# Altium PCB Board_ASCII.PcbDoc (part 2 of 2)
Units mm, origin at the board's own origin, x right, y up, seen from the top; angles counter-clockwise.
Board outline 26.34 x 49.99 mm, 4 copper layers (Top Layer, GND, PWR, Bottom Layer), stack 0.603 mm thick; 93 components, 67 nets, 369 pads, 189 vias.
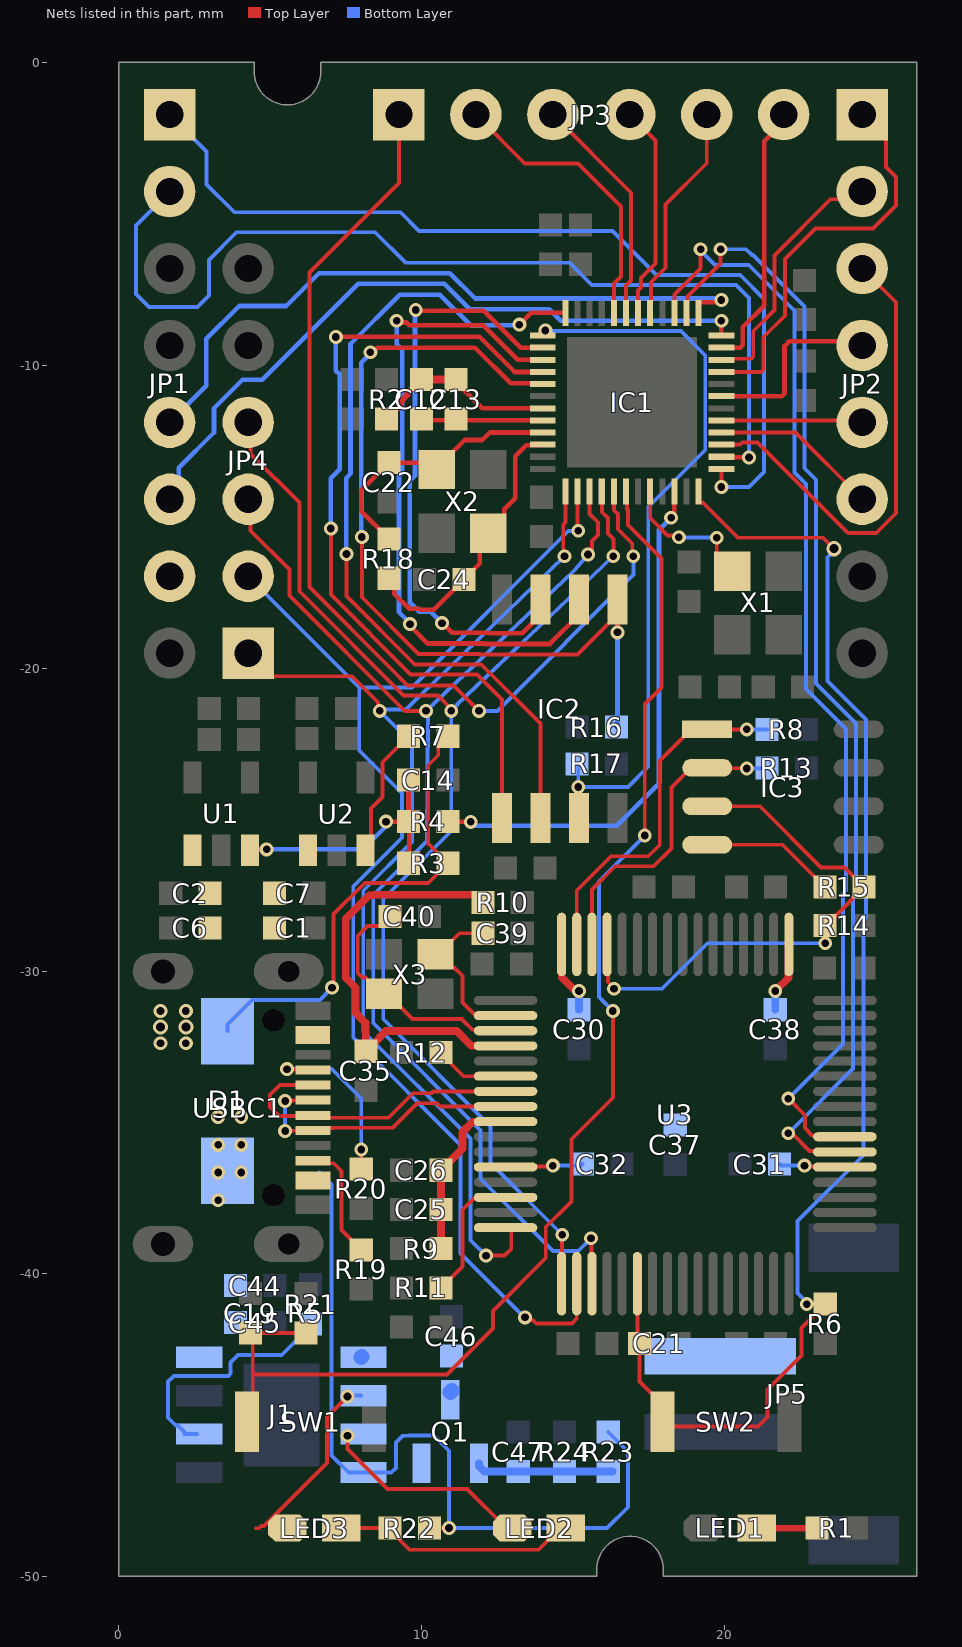
[diagram p4: the nets of this part, all layers, seen from the top]

## Via types
v1: diameter 0.457, hole 0.254, Top Layer to Bottom Layer, 186 vias
v2: diameter 0.5, hole 0.3, Top Layer to Bottom Layer, 3 vias

## Nets (pads, with @x,y where several pads share a name; then routed paths per layer and width w, separated by ;. In a path a pad name is that pad's centre, name@x,y a point inside that pad or via, vN(x,y) a via of type N, cw(c..) or ccw(c..) an arc to the next point about the centre after c; other vN are vias at no path point) (continued)
I2C_SCL: IC1.37 JP1.5 | length 22.6
  Top Layer w0.152: IC1.37@19.138,-8.274 19.138,-7.949 19.162,-7.925 19.729,-7.925 19.806,-7.849 v1(19.888,-7.849)
  Bottom Layer w0.152: JP1.5@1.676,-11.887 2.886,-10.678 2.886,-9.131 3.972,-8.045 5.518,-8.045 6.604,-6.96 10.922,-6.96 11.76,-7.798 19.837,-7.798 v1(19.888,-7.849)
I2C_SDA: IC1.36 JP1.6 | length 23.1
  Top Layer w0.152: IC1.36@19.888,-9.024 v1(19.888,-8.534)
  Bottom Layer w0.152: JP1.6@1.676,-14.427 1.973,-14.131 1.973,-13.389 3.138,-12.224 3.138,-11.419 4.081,-10.477 4.735,-10.477 7.896,-7.315 10.744,-7.315 11.582,-8.153 14.206,-8.153 14.587,-8.534 v1(19.888,-8.534)
IO1: IC1.26 JP1.2 | length 33.1
  Top Layer w0.152: IC1.26@19.888,-13.024 19.901,-13.037 20.79,-13.037 v1(20.803,-13.049)
  Bottom Layer w0.127: JP1.2@1.676,-4.267 0.56,-5.384 0.56,-7.646 0.991,-8.077 2.591,-8.077 2.972,-7.696 2.972,-6.523 3.882,-5.613 8.458,-5.613 9.461,-6.617 14.871,-6.617 15.608,-7.353 20.374,-7.353 20.803,-7.782 v1(20.803,-13.049)
IO9: IC1.33 JP2.1 | length 13.2
  Top Layer w0.127: IC1.33@19.888,-10.224 21.198,-10.224 21.272,-10.149 21.272,-9.079 21.984,-8.368 21.984,-6.501 22.998,-5.486 24.896,-5.486 25.653,-4.73 25.653,-3.787 25.323,-3.457 25.323,-2.514 JP2.1@24.536,-1.727
IO11: IC1.35 JP3.6 | length 8.9
  Top Layer w0.152: IC1.35@19.888,-9.424 20.51,-9.424 20.599,-9.335 20.599,-8.739 21.298,-8.04 21.298,-2.605 21.946,-1.957 JP3.6@21.946,-1.727
IO19: IC1.41 JP3.5 | length 7.3
  Top Layer w0.127: IC1.41@17.538,-8.274 17.569,-8.243 17.569,-7.263 18.047,-6.785 18.047,-4.694 19.406,-3.335 JP3.5@19.406,-1.727
IO20: IC1.42 JP3.4 | length 7.1
  Top Layer w0.127: JP3.4@16.866,-1.727 17.716,-2.578 17.716,-6.648 17.238,-7.126 17.238,-7.436 17.138,-7.536 IC1.42@17.138,-8.274
IO21: IC1.43 JP3.3 | length 7.7
  Top Layer w0.127: JP3.3@14.326,-1.727 16.908,-4.31 16.908,-7.205 16.738,-7.375 IC1.43@16.738,-8.274
IO22: IC1.44 JP3.2 | length 9.7
  Top Layer w0.127: JP3.2@11.786,-1.727 13.397,-3.338 15.149,-3.338 16.578,-4.767 16.578,-7.068 16.338,-7.308 IC1.44@16.338,-8.274
JTAG_TCK: IC1.13 JP4.1 U3.16 | length 38.2
  Top Layer w0.127: JP4.1@4.267,-19.507 5.029,-20.269 7.696,-20.269 8.272,-20.845 8.556,-21.129 8.556,-21.357 v1(8.611,-21.412) ; v1(12.116,-39.395) 12.725,-39.395 12.954,-39.167 12.954,-38.552 12.874,-38.472 U3.16@12.764,-38.472 ; v1(14.707,-16.307) 14.668,-16.269 14.668,-15.263 14.745,-15.187 14.745,-14.18 IC1.13@14.738,-14.174
  Bottom Layer w0.127: v1(12.116,-39.395) 11.608,-38.887 11.608,-35.535 8.064,-31.991 8.064,-27.349 9.677,-25.736 9.677,-22.479 v1(8.611,-21.412) 8.658,-21.365 9.482,-21.365 9.929,-20.918 9.93,-20.916 v1(14.707,-16.307)
JTAG_TDI: IC1.16 JP4.4 U3.17 | length 45
  Top Layer w0.127: JP4.4@4.267,-11.887 4.347,-11.967 4.347,-12.928 5.956,-14.537 5.956,-17.465 9.395,-20.904 10.529,-20.904 10.973,-21.348 v1(10.973,-21.412) ; U3.17@14.614,-40.322 14.625,-40.311 14.625,-38.716 v1(14.635,-38.705) ; IC1.16@15.938,-14.174 15.945,-14.18 15.945,-14.853 16.142,-15.05 16.142,-15.552 16.332,-15.742 16.332,-16.296 v1(16.32,-16.309)
  Bottom Layer w0.127: v1(14.635,-38.705) 12.268,-36.338 12.268,-35.128 8.725,-31.585 8.725,-27.622 10.973,-25.375 v1(10.973,-21.412) 11.099,-21.286 11.163,-21.222 11.163,-21.207 11.453,-20.917 v1(16.32,-16.309)
JTAG_TDO: IC1.14 JP4.2 U3.18 | length 43.3
  Top Layer w0.127: v1(13.402,-41.434) 13.485,-41.516 13.653,-41.516 13.775,-41.638 14.952,-41.638 15.114,-41.477 U3.18@15.114,-40.322 ; IC1.14@15.138,-14.174 15.138,-15.443 v1(15.164,-15.469)
  Bottom Layer w0.127: JP4.2@4.267,-16.967 7.936,-20.636 ; v1(13.402,-41.434) 13.392,-41.434 11.278,-39.319 11.278,-35.738 7.734,-32.194 7.734,-27.212 9.347,-25.599 9.347,-24.13 7.936,-22.718 7.936,-20.636 ; v1(15.164,-15.469) 15.154,-15.478 14.835,-15.478 9.677,-20.636 7.936,-20.636
JTAG_TMS: IC1.15 JP4.3 U3.19 | length 43.6
  Top Layer w0.127: JP4.3@4.267,-14.427 4.347,-14.507 4.347,-15.468 5.626,-16.747 5.626,-17.602 9.436,-21.412 v1(10.135,-21.412) ; v1(15.487,-16.253) 15.529,-16.253 15.616,-16.165 15.616,-15.803 15.811,-15.607 15.811,-15.187 15.538,-14.914 IC1.15@15.538,-14.174 ; v1(15.583,-38.824) 15.599,-38.84 15.599,-40.306 U3.19@15.614,-40.322
  Bottom Layer w0.127: v1(15.487,-16.253) 15.039,-16.771 14.999,-16.812 v1(10.135,-21.412) 10.209,-21.487 10.209,-21.592 10.174,-25.707 8.395,-27.486 8.395,-31.722 11.938,-35.265 11.938,-36.855 14.326,-39.243 15.164,-39.243 v1(15.583,-38.824)
NetC14_2: C14.2 R3.2 R4.2 U1.3 | length 8
  Top Layer w0.152: U1.3@4.328,-26.016 4.36,-25.984 v1(4.877,-25.984) ; v1(8.814,-25.07) R4.2@9.561,-25.07 C14.2@9.561,-23.698 ; R3.2@9.586,-26.213 R4.2@9.586,-25.197
  Bottom Layer w0.152: v1(4.877,-25.984) 8.052,-25.984 v1@8.839,-25.197
NetC25_2: C25.2 C26.2 R9.1 U3.9 | length 5.1
  Top Layer w0.254: R9.1@10.632,-39.04 C25.2@10.632,-38.024 ; C25.2@10.632,-37.795 C26.2@10.632,-36.805 ; C26.2@10.632,-36.576 11.343,-35.865 11.343,-35.313 11.676,-34.981 12.755,-34.981 U3.9@12.764,-34.972
NetC35_2: C35.2 R10.1 U3.4 | length 14.7
  Top Layer w0.254: R10.1@12.014,-27.737 11.76,-27.483 10.769,-27.483 8.434,-27.483 8.414,-27.502 8.262,-27.502 7.491,-28.273 7.491,-30.223 7.821,-30.553 7.821,-31.386 8.153,-31.718 C35.2@8.153,-32.649 8.621,-32.182 8.621,-32.172 8.814,-31.979 11.15,-31.979 11.634,-32.463 12.755,-32.463 U3.4@12.764,-32.472
NetC39_2: C39.2 U3.2 X3.1 | length 5.4
  Top Layer w0.127: X3.1@10.451,-29.449 X3.1@10.551,-29.449 ; C39.2@12.014,-28.753 11.247,-28.753 X3.1@10.551,-29.449 ; U3.2@12.764,-31.472 12.731,-31.439 11.742,-31.439 11.336,-31.033 11.336,-30.157 11.067,-29.887 11.062,-29.887 11.06,-29.886 10.988,-29.886 X3.1@10.551,-29.449
NetC40_2: C40.2 U3.3 X3.3 | length 8.4
  Top Layer w0.127: C40.2@8.951,-28.042 C40.2@8.951,-28.194 8.634,-28.511 8.212,-28.511 7.884,-28.839 7.884,-30.059 8.041,-30.216 8.14,-30.216 8.215,-30.29 8.215,-30.312 8.651,-30.749 8.851,-30.749 9.687,-31.585 11.313,-31.585 11.667,-31.939 12.731,-31.939 U3.3@12.764,-31.972
NetC47_2: C47.2 Q1.1 R23.1 R24.2 | length 4.6
  Bottom Layer w0.254: Q1.1@11.887,-46.253 11.887,-46.349 12.06,-46.522 C47.2@13.183,-46.522 R24.2@14.707,-46.522 R23.1@16.307,-46.522
NetIC3_1: IC3.1 R8.1 U3.63 | length 11.9
  Top Layer w0.127: U3.63@15.114,-29.122 15.114,-27.345 16.246,-26.213 17.475,-26.213 17.856,-25.832 17.856,-23.052 18.887,-22.022 v1(20.726,-22.022)
  Bottom Layer w0.127: v1(20.726,-22.022) R8.1@21.397,-22.022
NetIC3_2: IC3.2 R13.1 U3.62 | length 10.5
  Top Layer w0.127: U3.62@15.614,-29.122 15.614,-27.312 16.383,-26.543 17.653,-26.543 18.237,-25.959 18.237,-23.941 18.887,-23.292 IC3.2@19.42,-23.292 19.433,-23.304 20.714,-23.304 v1(20.726,-23.317)
  Bottom Layer w0.127: v1(20.726,-23.317) 21.372,-23.317 R13.1@21.397,-23.292
NetIC3_3: IC3.3 R14.1 R15.1 U3.61 | length 18.1
  Top Layer w0.127: U3.61@16.114,-29.122 16.147,-29.155 16.147,-30.354 16.345,-30.552 v1(16.345,-30.586) ; IC3.3@19.42,-24.562 21.158,-24.562 23.177,-26.581 23.955,-26.581 R15.1@24.602,-27.229 23.62,-28.211 23.62,-28.435 R14.1@23.317,-28.738 ; R14.1@23.302,-28.499 23.317,-28.514 R14.1@23.317,-28.738 ; v1(23.317,-29.083) R14.1@23.317,-28.738
  Bottom Layer w0.127: v1(16.345,-30.586) 17.928,-30.586 19.431,-29.083 v1(23.317,-29.083)
NetIC3_4: IC3.4 R15.2 | length 4.5
  Top Layer w0.127: IC3.4@19.42,-25.832 21.905,-25.832 R15.2@23.302,-27.229
NetJ1_2: J1.2 R21.2 | length 8.1
  Bottom Layer w0.127: J1.2@2.577,-45.288 2.164,-45.288 2.164,-45.212 1.954,-45.002 1.878,-45.002 1.624,-44.748 1.624,-43.556 1.815,-43.365 3.612,-43.365 3.686,-43.291 3.686,-42.922 3.936,-42.672 5.374,-42.672 R21.2@6.325,-41.722
NetJ1_6: J1.6 LED3.2 | length 6.2
  Top Layer w0.127: 4.527,-48.394 4.579,-48.394 4.631,-48.394 4.706,-48.319 4.792,-48.319 6.871,-46.24 6.871,-44.717 v1(7.544,-44.044)
  Bottom Layer w0.127: v1(7.544,-44.044) 7.569,-44.018 J1.6@8.001,-44.018
NetJ1_7: J1.7 LED2.2 | length 7
  Top Layer w0.127: v1(7.544,-45.339) 7.544,-45.778 8.861,-47.095 11.49,-47.095 12.789,-48.394 LED2.2@12.979,-48.394
NetLED1_1: LED1.1 R1.2 | length 1.8
  Top Layer w0.203: LED1.1@21.256,-48.394 23.042,-48.394 R1.2@23.048,-48.387
NetLED2_1: LED2.1 LED3.1 R22.1 | length 8
  Top Layer w0.127: LED3.1@7.341,-48.394 7.347,-48.387 8.875,-48.387 9.593,-49.105 13.856,-49.105 14.567,-48.394 LED2.1@14.757,-48.394 ; R22.1@9.097,-48.394 R22.1@9.104,-48.387
NetR7_2: R7.2 U2.3 | length 4.4
  Top Layer w0.127: U2.3@8.138,-26.016 8.319,-25.835 8.319,-24.638 8.705,-24.251 8.705,-23.106 R7.2@9.561,-22.25
NetR11_1: R11.1 U3.14 | length 4.7
  Top Layer w0.127: R11.1@10.632,-40.716 R11.1@10.632,-40.462 11.346,-39.749 11.346,-37.879 11.72,-37.505 12.731,-37.505 U3.14@12.764,-37.472
NetR12_2: R12.2 U3.6 | length 2.5
  Top Layer w0.127: R12.2@10.592,-32.69 11.374,-33.472 U3.6@12.764,-33.472
NetR19_2: R19.2 USBC1.B5 | length 4
  Top Layer w0.127: USBC1.B5@6.405,-36.263 6.489,-36.346 7.091,-36.346 7.353,-36.609 7.353,-38.555 R19.2@8.001,-39.203
NetR20_2: R20.2 USBC1.A5 | length 6
  Top Layer w0.127: v1(5.549,-33.239) 5.561,-33.251 6.394,-33.251 USBC1.A5@6.406,-33.263 ; R20.2@8.001,-36.536 v1(8.001,-35.89)
  Bottom Layer w0.127: v1(5.549,-33.239) 7.026,-33.239 8.001,-34.214 v1(8.001,-35.89)
PLL_AVDD: C12.2 C13.2 IC1.7 R2.2 | length 6.2
  Top Layer w0.152: C13.2@11.184,-10.61 11.998,-11.424 IC1.7@13.988,-11.424
  Top Layer w0.203: R2.2@8.839,-11.775 9.296,-11.318 9.296,-11.211 9.525,-10.982 9.525,-10.933 C12.2@9.982,-10.475
  Top Layer w0.254: C12.2@9.982,-10.475 C13.2@11.049,-10.475 ; C13.2@11.125,-10.475 C13.2@11.26,-10.61
PLL_AVSS: C12.1 C13.1 IC1.8 | length 4
  Top Layer w0.152: C12.1@9.982,-11.775 10.031,-11.824 11.049,-11.824 IC1.8@13.988,-11.824
PWM: IC1.25 JP1.1 | length 30.7
  Top Layer w0.127: v1(19.888,-14.021) IC1.25@19.888,-13.424
  Bottom Layer w0.127: JP1.1@1.676,-1.727 2.896,-2.946 2.896,-4.039 3.81,-4.953 9.293,-4.953 9.909,-5.569 16.29,-5.569 17.744,-7.023 20.511,-7.023 21.298,-7.81 21.298,-13.525 20.803,-14.021 v1(19.888,-14.021)
QSPI_CS0: IC1.5 IC2.1 R16.1 | length 28.4
  Top Layer w0.127: v1(8.019,-15.669) 8.019,-17.66 9.891,-19.533 11.906,-19.533 11.919,-19.546 15.142,-19.546 16.459,-18.229 IC2.1@16.459,-17.743
  Top Layer w0.152: v1(8.302,-9.576) 8.384,-9.576 8.537,-9.423 11.755,-9.423 12.935,-10.603 13.968,-10.603 IC1.5@13.988,-10.624 ; v1(16.459,-18.821) IC2.1@16.459,-18.229
  Bottom Layer w0.152: v1(8.019,-15.669) 8.001,-15.651 8.001,-9.921 8.302,-9.621 v1(8.302,-9.576) ; R16.1@16.423,-21.946 16.459,-21.91 v1(16.459,-18.821)
QSPI_DQ0: IC1.4 IC2.5 | length 27
  Top Layer w0.127: v1(6.996,-15.392) 6.996,-17.571 9.631,-20.206 11.824,-20.206 12.649,-21.031 IC2.5@12.649,-24.943
  Top Layer w0.152: v1(7.163,-9.068) 11.902,-9.068 13.058,-10.224 IC1.4@13.988,-10.224
  Bottom Layer w0.152: v1(6.996,-15.392) 6.996,-13.735 7.29,-13.441 7.29,-10.305 7.163,-10.178 v1(7.163,-9.068)
QSPI_DQ1: IC1.3 IC2.2 | length 22.4
  Top Layer w0.152: v1(9.167,-8.534) 9.226,-8.593 9.493,-8.593 9.587,-8.687 12.024,-8.687 13.161,-9.824 IC1.3@13.988,-9.824 ; v1(9.609,-18.55) 9.609,-18.601 10.198,-19.19 12.048,-19.19 12.061,-19.203 14.229,-19.203 15.189,-18.243 IC2.2@15.189,-17.743
  Bottom Layer w0.152: v1(9.167,-8.534) 9.167,-9.316 9.347,-9.496 9.347,-13.569 9.246,-13.67 9.246,-18.159 9.609,-18.522 v1(9.609,-18.55)
QSPI_DQ2: IC1.2 IC2.3 | length 19.9
  Top Layer w0.152: v1(9.798,-8.179) 9.823,-8.204 12.045,-8.204 13.264,-9.424 IC1.2@13.988,-9.424 ; v1(10.668,-18.517) 10.68,-18.517 10.997,-18.834 12.195,-18.834 12.208,-18.847 13.315,-18.847 13.919,-18.243 IC2.3@13.919,-17.743
  Bottom Layer w0.152: v1(9.798,-8.179) 9.773,-8.204 9.773,-13.646 9.601,-13.818 9.601,-17.824 9.918,-18.141 10.292,-18.141 v1(10.668,-18.517)
QSPI_DQ3: IC1.1 IC2.7 R17.1 | length 24.6
  Top Layer w0.152: IC1.1@13.988,-9.024 14.053,-9.024 14.077,-9 v1(14.077,-8.856) ; v1(15.164,-23.927) 15.164,-24.917 IC2.7@15.189,-24.943
  Bottom Layer w0.127: v1(14.077,-8.856) 14.098,-8.877 18.555,-8.877 19.355,-9.677 19.355,-12.802 17.475,-14.681 17.475,-23.252 16.8,-23.927 v1(15.164,-23.927) 15.164,-23.205 R17.1@15.123,-23.165
QSPI_SCK: IC1.48 IC2.6 | length 28
  Top Layer w0.127: v1(7.511,-16.231) 7.511,-17.619 9.768,-19.876 11.961,-19.876 13.919,-21.834 IC2.6@13.919,-24.943
  Top Layer w0.152: v1(13.22,-8.661) 13.228,-8.661 13.615,-8.274 IC1.48@14.738,-8.274
  Bottom Layer w0.152: v1(7.511,-16.231) 7.504,-16.223 7.504,-13.73 7.645,-13.588 7.645,-9.303 9.277,-7.671 10.597,-7.671 11.613,-8.687 13.195,-8.687 v1(13.22,-8.661)
RESET: C21.2 IC1.24 R6.1 SW2.1 U3.22 | length 45.7
  Top Layer w0.127: C21.2@17.114,-42.215 U3.22@17.114,-40.322 ; C21.2@17.181,-42.291 17.181,-43.546 17.58,-43.945 17.604,-43.945 17.941,-44.282 SW2.1@17.941,-44.882 18.093,-45.034 21.107,-45.034 21.412,-44.729 21.412,-43.815 22.531,-42.696 22.531,-41.782 R6.1@23.317,-40.996 v1(22.708,-40.996) ; IC1.24@19.138,-14.174 19.138,-14.499 19.175,-14.535 19.274,-14.535 20.436,-15.697 23.241,-15.697 v2(23.602,-16.058)
  Bottom Layer w0.127: v1(22.708,-40.996) 22.708,-40.933 22.403,-40.628 22.403,-38.252 24.575,-36.081 24.575,-28.319 24.665,-28.228 24.665,-21.694 23.393,-20.422 23.393,-16.35 23.602,-16.141 v2(23.602,-16.058)
RST: IC1.34 JP2.2 | length 8.5
  Top Layer w0.127: IC1.34@19.888,-9.824 19.921,-9.791 20.868,-9.791 20.942,-9.716 20.942,-8.882 21.641,-8.184 21.641,-6.376 23.496,-4.521 24.282,-4.521 JP2.2@24.536,-4.267
RTC_XI: IC1.20 X1.3 | length 4.7
  Top Layer w0.127: IC1.20@17.538,-14.174 17.538,-15.044 18.113,-15.619 18.421,-15.619 v1(18.484,-15.682) ; v1(19.736,-15.697) 19.736,-16.288 X1.3@20.246,-16.798
  Bottom Layer w0.127: v1(18.484,-15.682) 18.492,-15.69 19.728,-15.69 v1(19.736,-15.697)
SPI_CS0: IC1.27 JP2.3 | length 15.8
  Top Layer w0.127: IC1.27@19.888,-12.624 20.509,-12.624 20.578,-12.554 21.084,-12.554 24.074,-15.544 24.999,-15.544 25.653,-14.89 25.653,-7.924 JP2.3@24.536,-6.807
SPI_MISO: IC1.29 JP2.5 | length 4.5
  Top Layer w0.127: IC1.29@19.888,-11.824 24.295,-11.824 JP2.5@24.333,-11.862
SPI_MOSI: IC1.28 JP2.6 | length 5.6
  Top Layer w0.127: IC1.28@19.888,-12.224 22.333,-12.224 JP2.6@24.536,-14.427
SPI_SCK: IC1.31 JP2.4 | length 6.2
  Top Layer w0.152: IC1.31@19.888,-11.024 21.882,-11.024 21.971,-10.935 21.971,-10.661 21.971,-9.369 22.135,-9.205 22.53,-9.205 24.217,-9.205 JP2.4@24.333,-9.322
UART0_RX: IC1.38 U3.38 | length 37.2
  Top Layer w0.127: IC1.38@18.738,-8.274 18.772,-8.24 18.772,-7.738 19.863,-6.647 v1(19.863,-6.172) ; v1(22.098,-35.357) 22.215,-35.357 22.797,-35.939 23.931,-35.939 U3.38@23.964,-35.972
  Bottom Layer w0.127: v1(19.863,-6.172) 20.706,-6.172 20.897,-6.363 20.927,-6.363 22.631,-8.067 22.631,-13.401 23.012,-13.782 23.012,-20.508 24.335,-21.83 24.335,-27.475 24.232,-27.579 24.232,-33.223 v1(22.098,-35.357)
UART0_TX: IC1.39 U3.39 | length 36.6
  Top Layer w0.127: IC1.39@18.338,-8.274 18.338,-7.673 19.202,-6.809 v1(19.202,-6.172) ; v1(22.098,-34.214) 22.644,-34.76 22.644,-35.183 22.885,-35.424 22.894,-35.424 22.909,-35.439 23.931,-35.439 U3.39@23.964,-35.472
  Bottom Layer w0.127: v1(19.202,-6.172) 19.202,-6.212 19.683,-6.693 20.79,-6.693 22.301,-8.204 22.301,-13.538 22.682,-13.919 22.682,-20.686 24.005,-22.009 24.005,-27.338 23.901,-27.442 23.901,-32.41 v1(22.098,-34.214)
USB_D_N: U3.7 USBC1.A7 USBC1.B7 | length 10.3
  Top Layer w0.127: USBC1.B7@6.404,-33.763 5.313,-33.763 4.991,-34.085 4.991,-34.495 5.281,-34.785 6.381,-34.785 USBC1.A7@6.404,-34.763 6.487,-34.846 8.893,-34.846 9.702,-34.037 10.303,-34.037 10.368,-33.972 U3.7@12.764,-33.972
USB_D_P: U3.8 USBC1.A6 USBC1.B6 | length 9.6
  Top Layer w0.127: v1(5.486,-35.281) 5.495,-35.272 6.397,-35.272 6.489,-35.179 7.089,-35.179 7.092,-35.176 9.029,-35.176 9.838,-34.367 10.505,-34.367 10.609,-34.472 U3.8@12.764,-34.472 ; v1(5.486,-34.29) 5.5,-34.276 6.392,-34.276 USBC1.A6@6.405,-34.263
  Bottom Layer w0.127: v1(5.486,-35.281) v1(5.486,-34.29)
V_BUS: C1.1 C2.1 C6.1 C7.1 D1.2 JP1.7 Q1.2 R3.1 R7.1 U1.1 U2.1 | length 15.8
  Top Layer w0.127: v1(7.037,-30.549) 7.089,-30.497 7.089,-28.116 8.115,-27.089 10.213,-27.089 R3.1@10.861,-26.441 10.213,-25.794 10.213,-23.207 10.543,-22.876 10.543,-22.568 R7.1@10.861,-22.25
  Bottom Layer w0.127: D1.2@3.581,-31.99 3.581,-31.765 4.393,-30.953 6.632,-30.953 v1(7.037,-30.549)
  other v1: 1.372,-32.385 2.21,-32.385 1.372,-31.318 2.21,-31.318
  other v2: 1.372,-31.852 2.21,-31.852
VBAT: C46.2 J1.5 JP5.2 Q1.3 | length 0.1
  Bottom Layer w0.508: J1.5@8.001,-42.748 J1.5@8.019,-42.73 ; Q1.3@10.937,-43.906 10.955,-43.889 Q1.3@10.983,-43.86
VCORE_FT: C30.2 C31.2 C32.2 C37.2 C38.2 U3.12 U3.37 U3.49 U3.64 | length 9.6
  Top Layer w0.127: U3.12@12.764,-36.472 12.788,-36.448 14.302,-36.448 v1(14.326,-36.424) ; v1(22.631,-36.424) 22.655,-36.448 23.94,-36.448 U3.37@23.964,-36.472
  Top Layer w0.254: U3.64@14.614,-29.122 14.623,-29.131 14.623,-30.21 15.032,-30.619 15.15,-30.619 v1(15.189,-30.658) ; v1(21.666,-30.658) 22.105,-30.219 22.105,-29.131 U3.49@22.114,-29.122
  Bottom Layer w0.127: v1(14.326,-36.424) 15.251,-36.424 C32.2@15.301,-36.373 ; C31.2@21.808,-36.373 21.859,-36.424 v1(22.631,-36.424)
  Bottom Layer w0.254: C30.2@15.189,-31.278 v1(15.189,-30.658) ; C38.2@21.666,-31.278 v1(21.666,-30.658)
VDD_CORE_EN: IC1.22 R4.1 | length 17.4
  Top Layer w0.152: R4.1@10.861,-25.07 10.869,-25.077 v1(11.617,-25.077) ; v1(18.23,-15.036) 18.23,-14.99 18.338,-14.882 IC1.22@18.338,-14.174
  Bottom Layer w0.152: v1@11.642,-25.204 16.431,-25.204 17.831,-23.805 17.831,-15.435 v1(18.23,-15.036)
VUSB: C44.2 C45.2 D1.1 J1.4 J1.8 R22.2 R23.2 USBC1.A4 USBC1.A9 USBC1.B4 USBC1.B9 | length 27
  Top Layer w0.127: R22.2@10.251,-48.387 v1(10.897,-48.387)
  Bottom Layer w0.127: 6.626,-36.649 7.022,-37.045 7.022,-45.992 7.589,-46.558 8.992,-46.558 9.144,-46.406 9.144,-45.568 9.373,-45.339 9.574,-45.339 9.577,-45.337 10.398,-45.337 10.897,-45.836 v1(10.897,-48.387) 16.116,-48.387 16.802,-47.701 16.802,-45.87 R23.2@16.154,-45.222
  other v1: 3.277,-37.567 3.277,-36.652 4.039,-36.652 3.277,-35.738 4.039,-35.738 3.277,-34.823 4.039,-34.823
WAKE: C19.2 IC1.18 R5.1 SW1.1 | length 44.3
  Top Layer w0.127: SW1.1@4.225,-44.882 4.42,-44.687 4.42,-43.32 ; R5.1@6.248,-42.027 R5.1@6.172,-41.95 C19.2@4.343,-41.95 4.42,-42.027 4.42,-43.32 ; 12.344,-41.224 12.344,-41.806 10.83,-43.32 4.42,-43.32 ; 12.346,-41.223 14.089,-39.48 14.089,-38.449 14.935,-37.603 14.935,-35.554 16.307,-34.182 v1(16.307,-31.318) ; IC1.18@16.738,-14.174 16.772,-14.207 16.772,-14.746 16.802,-14.777 16.802,-15.278 17.907,-16.383 17.907,-20.637 17.361,-21.183 v1(17.361,-25.527)
  Bottom Layer w0.127: v1(16.307,-31.318) 15.85,-30.861 15.85,-27.038 v1(17.361,-25.527)
WF_RESET: IC1.17 JP3.1 | length 34.1
  Top Layer w0.127: JP3.1@9.246,-1.727 9.246,-3.986 6.286,-6.945 6.286,-17.329 9.007,-20.049 9.532,-20.574 11.049,-20.574 v1(11.887,-21.412) ; IC1.17@16.338,-14.174 16.348,-14.183 16.348,-14.789 16.472,-14.914 16.472,-15.415 16.945,-15.888 16.945,-16.272 v1(16.98,-16.307)
  Bottom Layer w0.127: v1(11.887,-21.412) 12.497,-21.412 16.993,-16.916 16.993,-16.319 v1(16.98,-16.307)
XTAL_XI: C22.2 IC1.9 R18.2 X2.1 | length 9
  Top Layer w0.152: R18.2@8.915,-15.733 8.001,-14.819 8.001,-14.133 C22.2@8.915,-13.218 10.266,-13.218 X2.1@10.492,-13.445 10.492,-13.395 11.415,-12.471 11.989,-12.471 12.236,-12.224 IC1.9@13.988,-12.224
XTAL_XO: C24.1 IC1.10 R18.1 X2.3 | length 9.3
  Top Layer w0.152: R18.1@8.915,-17.033 9.095,-17.213 9.095,-17.553 9.584,-18.042 9.91,-18.042 9.938,-18.071 10.392,-18.071 C24.1@11.394,-17.069 11.915,-16.548 11.915,-15.822 12.716,-15.021 12.716,-14.76 13.082,-14.394 13.082,-13.01 13.447,-12.644 13.968,-12.644 IC1.10@13.988,-12.624
pads on no net: JP5.0 U1.4 U2.4 U3.21 U3.23 U3.24 U3.26 U3.27 U3.28 U3.29 U3.30 U3.32 U3.33 U3.34 U3.36 U3.40 U3.41 U3.43 U3.44 U3.45 U3.46 U3.48 U3.52 U3.53 U3.54 U3.55 U3.57 U3.58 U3.59 U3.60 USBC1. USBC1.A8 USBC1.B8 X1.1

## Polygon pours and split planes (outlines as drawn)
V_BUS on Top Layer "VC" (solid, pour order 4): 2.875,-25.298 2.875,-26.822 4.831,-26.822 4.831,-25.298 6.629,-25.298 6.629,-29.032 4.572,-29.032 4.039,-29.566 4.039,-32.842 0.838,-32.842 0.838,-30.861 2.972,-30.861 2.972,-29.566 2.21,-28.804 1.372,-28.804 1.372,-25.298
VUSB on Top Layer "VC" (solid, pour order 7): 3.81,-33.299 2.819,-33.299 2.819,-38.138 4.991,-38.138 4.991,-37.338 7.01,-37.338 7.01,-31.816 5.293,-31.816
3V3 on Top Layer "VC" (solid, pour order 6): 4.953,-20.803 6.782,-20.803 6.782,-24.308 5.791,-24.308 4.953,-23.47
GND on Top Layer "VC" (solid, pour order 5): 1.295,-27.051 2.134,-27.051 2.134,-30.556 1.295,-30.556
1V8 on Top Layer "VC" (solid, pour order 2): 3.429,-22.784 2.933,-22.784 2.933,-24.308 1.981,-24.308 1.981,-22.822 0.991,-22.822 0.991,-20.917 3.429,-20.917
GND on Top Layer "VC" (solid, pour order 1): 6.629,-26.022 6.02,-26.632 6.02,-29.032 6.706,-29.032 7.62,-28.118 7.62,-24.384 3.124,-24.384 3.124,-26.594 3.81,-26.594 3.81,-25.298 6.629,-25.298
GND on Bottom Layer "VC" (solid, remove dead copper, pour order 14): 2.164,-44.348 4.039,-44.348 4.039,-45.568 3.353,-46.253 2.134,-46.253 2.134,-46.863 3.353,-46.863 3.429,-46.939 4.039,-46.33 6.629,-46.33 6.629,-42.977 4.801,-42.977 4.115,-43.663 2.164,-43.663
V_BUS on Bottom Layer "VC" (solid, remove dead copper, pour order 11): 3.2,-16.002 3.2,-25.908 4.191,-26.899 4.191,-33.306 3.353,-33.306 2.438,-34.221 2.438,-37.414 3.2,-38.176 3.2,-41.98 1.624,-43.556 1.687,-43.619 1.687,-47.111 9.048,-47.111 9.677,-46.482 9.677,-45.644 10.287,-45.644 10.287,-51.206 -1.6,-51.206 -1.6,-16.002
VUSB on Bottom Layer "VC" (solid, pour order 9): 3.353,-33.306 2.438,-34.221 2.438,-37.497 3.353,-38.428 3.353,-40.843 1.829,-42.367 1.829,-43.053 3.277,-43.053 3.353,-43.129 4.267,-42.215 4.267,-38.145 4.984,-38.145 4.984,-37.345 7.087,-37.345 7.087,-33.306 5.022,-33.306
GND on Bottom Layer "gnd" (solid, pour order 10): 17.374,-44.996 22.403,-44.996 22.403,-47.206 17.374,-47.206
VBAT on Bottom Layer "VC" (solid, pour order 13): 16.231,-42.824 16.916,-42.139 22.327,-42.139 22.327,-43.32 17.64,-43.32 17.145,-43.815 12.344,-43.815 11.278,-44.882 10.592,-44.882 10.325,-44.615 10.325,-43.701 9.754,-43.129 7.315,-43.129 7.315,-42.291 11.735,-42.291 12.268,-42.824
VCORE_FT on Bottom Layer "VC" (solid, pour order 12): 15.578,-30.861 15.578,-31.107 16.246,-31.775 20.246,-31.775 21.16,-30.861 22.098,-30.861 22.098,-32.146 21.082,-33.162 21.082,-34.696 22.174,-35.788 22.174,-36.805 14.783,-36.805 14.783,-35.738 15.773,-34.747 15.773,-32.984 14.783,-31.994 14.783,-30.861
GND on GND (split plane): 24.829,-48.477 19.146,-48.477 19.134,-48.453 19.012,-48.261 18.873,-48.081 18.719,-47.913 18.551,-47.759 18.371,-47.62 18.179,-47.498 17.977,-47.393 17.766,-47.306 17.549,-47.237 17.327,-47.188 17.101,-47.158 16.873,-47.148 16.646,-47.158 16.42,-47.188 16.198,-47.237 15.981,-47.306 15.77,-47.393 15.568,-47.498 15.376,-47.62 15.195,-47.759 15.028,-47.913 14.874,-48.081 14.735,-48.261 14.613,-48.453 14.6,-48.477 1.51,-48.477 1.51,-1.51 3.25,-1.51 3.302,-1.61 3.424,-1.802 3.563,-1.983 3.717,-2.151 3.885,-2.305 4.065,-2.443 4.257,-2.566 4.459,-2.671 4.67,-2.758 4.887,-2.826 5.109,-2.876 5.335,-2.905 5.563,-2.915 5.79,-2.905 6.016,-2.876 6.238,-2.826 6.455,-2.758 6.666,-2.671 6.868,-2.566 7.06,-2.443 7.241,-2.305 7.408,-2.151 7.562,-1.983 7.701,-1.802 7.823,-1.61 7.875,-1.51 24.829,-1.51
3V3 on PWR (split plane): 25.829,-49.477 18.457,-49.477 18.444,-49.4 18.394,-49.227 18.324,-49.06 18.237,-48.902 18.133,-48.754 18.012,-48.62 17.878,-48.499 17.73,-48.395 17.572,-48.308 17.405,-48.238 17.232,-48.188 17.054,-48.158 16.873,-48.148 16.693,-48.158 16.515,-48.188 16.341,-48.238 16.175,-48.308 16.017,-48.395 15.869,-48.499 15.735,-48.62 15.614,-48.754 15.51,-48.902 15.422,-49.06 15.353,-49.227 15.303,-49.4 15.29,-49.477 14.707,-49.477 0.51,-49.477 0.51,-23.116 3.124,-23.116 3.164,-23.108 3.197,-23.086 3.22,-23.052 3.228,-23.012 3.228,-10.439 3.228,-8.028 5.459,-8.028 5.459,-10.439 5.467,-10.479 5.489,-10.513 5.523,-10.535 5.563,-10.543 9.373,-10.543 9.412,-10.535 9.446,-10.513 9.468,-10.479 9.476,-10.439 9.476,-6.2 14.755,-6.2 14.755,-7.087 14.763,-7.126 14.786,-7.16 14.819,-7.182 14.859,-7.19 20.928,-7.19 20.928,-11.887 20.935,-11.927 20.958,-11.96 20.992,-11.983 21.031,-11.991 23.622,-11.991 23.662,-11.983 23.695,-11.96 23.718,-11.927 23.726,-11.887 23.726,-10.516 23.718,-10.476 23.695,-10.442 23.662,-10.42 23.622,-10.412 22.278,-10.412 22.278,-3.353 22.27,-3.313 22.247,-3.28 22.214,-3.257 22.174,-3.249 18.239,-3.249 18.239,-0.51 25.829,-0.51
1V8 on PWR (split plane): 18.032,-3.353 18.04,-3.392 18.062,-3.426 18.096,-3.449 18.136,-3.456 22.071,-3.456 22.071,-10.516 22.078,-10.555 22.101,-10.589 22.135,-10.611 22.174,-10.619 23.518,-10.619 23.518,-11.784 21.135,-11.784 21.135,-7.087 21.127,-7.047 21.104,-7.013 21.071,-6.991 21.031,-6.983 14.963,-6.983 14.963,-6.096 14.955,-6.056 14.932,-6.023 14.899,-6 14.859,-5.992 9.373,-5.992 9.333,-6 9.299,-6.023 9.277,-6.056 9.269,-6.096 9.269,-10.336 5.666,-10.336 5.666,-7.925 5.658,-7.885 5.636,-7.852 5.602,-7.829 5.563,-7.821 3.124,-7.821 3.085,-7.829 3.051,-7.852 3.028,-7.885 3.021,-7.925 3.021,-10.439 3.021,-22.909 0.51,-22.909 0.51,-0.51 3.966,-0.51 3.992,-0.663 4.042,-0.837 4.112,-1.004 4.199,-1.162 4.303,-1.309 4.424,-1.444 4.558,-1.564 4.706,-1.668 4.864,-1.756 5.031,-1.825 5.204,-1.875 5.382,-1.905 5.563,-1.915 5.743,-1.905 5.921,-1.875 6.095,-1.825 6.261,-1.756 6.419,-1.668 6.567,-1.564 6.701,-1.444 6.822,-1.309 6.926,-1.162 7.014,-1.004 7.083,-0.837 7.133,-0.663 7.159,-0.51 7.468,-0.51 18.032,-0.51

## Keep-outs
Keep-Out Layer:
  lines w0.254: 0,-49.987 0,0 3.81,0 4.463,0 4.463,-0.305 ccw(c5.563,-0.305) 6.663,-0.305 6.663,0 7.468,0 26.34,0 26.34,-49.987 19.202,-49.987 17.973,-49.987 17.973,-49.759 ccw(c16.873,-49.759) 15.773,-49.759 15.773,-49.987 14.707,-49.987 0,-49.987

## Other copper
PWR (plane layer: these items are gaps in the copper):
  lines w0.203: 0.076,-23.012 3.124,-23.012 3.124,-10.439 3.124,-7.925 5.563,-7.925 5.563,-10.439 9.373,-10.439 9.373,-6.096 14.859,-6.096 14.859,-7.087 21.031,-7.087 21.031,-11.887 23.622,-11.887 23.622,-10.516 22.174,-10.516 22.174,-3.353 18.136,-3.353 18.136,-0.305
  lines w1.016: 0,-49.987 14.707,-49.987 15.773,-49.987 15.773,-49.759 cw(c16.873,-49.759) 17.973,-49.759 17.973,-49.987 26.34,-49.987 26.34,0 7.468,0 6.663,0 6.663,-0.305 cw(c5.563,-0.305) 4.463,-0.305 4.463,0 0,0 0,-49.987
GND (plane layer: these items are gaps in the copper):
  the board outline again, w3.016

## Silkscreen, mask and mechanical layers (free items; w line width, h text height)
Top Overlay:
  text "Athena" at 6.629,-5.41 h2.54
  text "V1.1" at 8.839,-7.696 h2.54
  text "wake" at 9.068,-45.322 h2.03
  text "rst" at 15.164,-45.322 h2.03
Bottom Overlay:
  text "Proudly Made in USA" at 19.506,-7.848 h1.52
Mechanical 1:
  lines w0.254: 0,-49.987 14.707,-49.987 15.773,-49.987 15.773,-49.759 cw(c16.873,-49.759) 17.973,-49.759 17.973,-49.987 19.202,-49.987 26.34,-49.987 26.34,0 7.468,0 6.663,0 6.663,-0.305 cw(c5.563,-0.305) 4.463,-0.305 4.463,0 3.81,0 0,0 0,-49.987